# Altium PCB 6_layers_Testboard.PcbDoc (part 2 of 3) (continued)
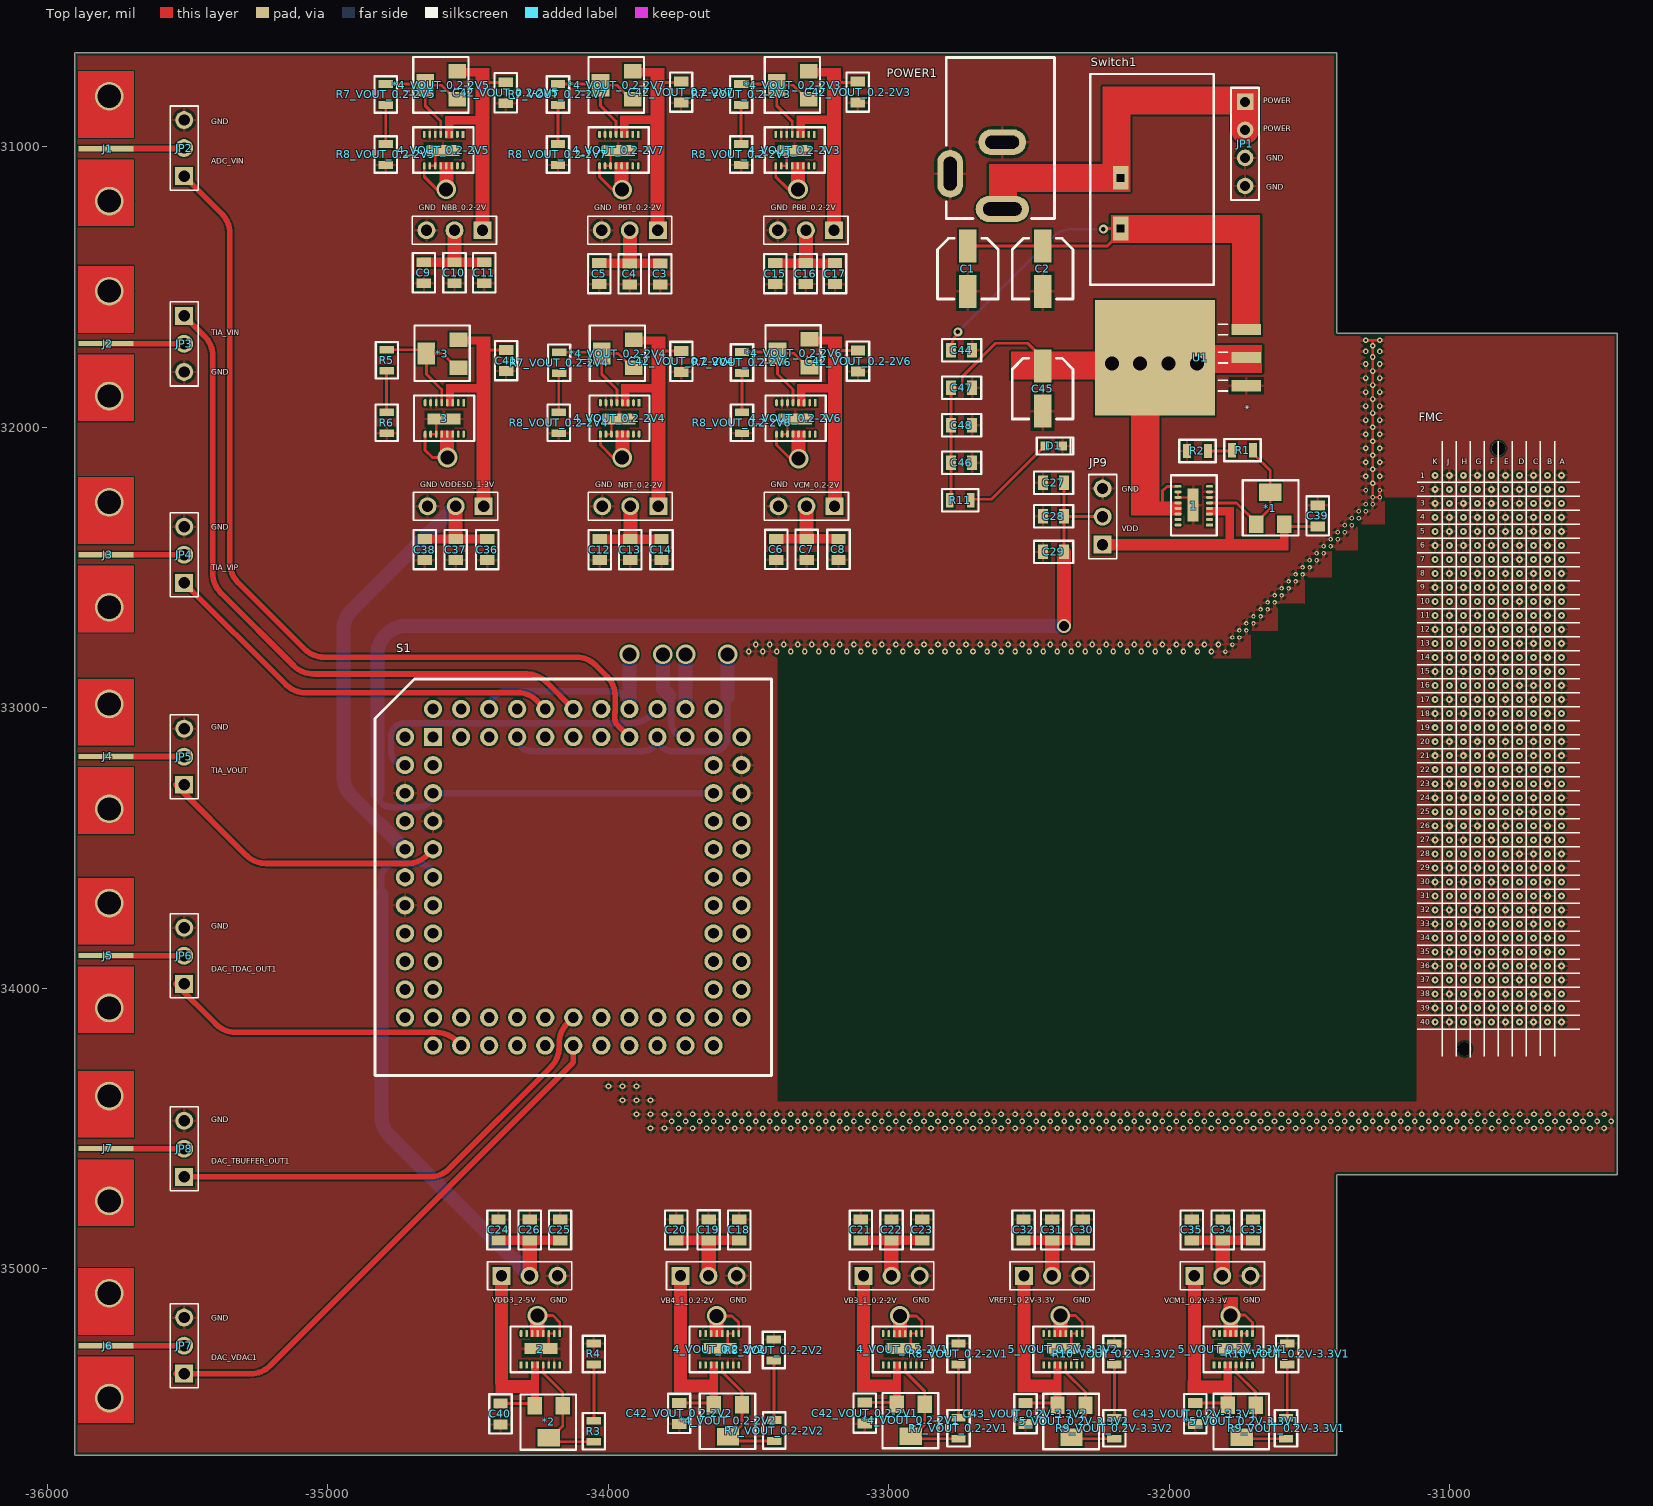
[diagram p0: Top layer view]
## Nets (pads, with @x,y where several pads share a name; then routed paths per layer and width w, separated by ;. In a path a pad name is that pad's centre, name@x,y a point inside that pad or via, vN(x,y) a via of type N, cw(c..) or ccw(c..) an arc to the next point about the centre after c; other vN are vias at no path point) (continued)
DAC_TBUFFER_IN1: 3.H38 S1.79 | length 6655.8
  Inner Layer 1 w7: S1.79@-34425.44,-34205 -34390.73,-34239.71 ccw(c-34320.02,-34169) -34320.02,-34269 -32906,-34269 -32885.5,-34269 cw(c-32885.5,-34277.5) -32877,-34277.5 -32877,-34371.83 ccw(c-32868.5,-34371.83) -32860,-34371.83 -32860,-34272.36 cw(c-32851.5,-34272.36) -32843,-34272.36 -32843,-34371.83 ccw(c-32834.5,-34371.83) -32826,-34371.83 -32826,-34272.45 cw(c-32817.5,-34272.45) -32809,-34272.45 -32809,-34371.83 ccw(c-32800.5,-34371.83) -32792,-34371.83 -32792,-34272.54 cw(c-32783.5,-34272.54) -32775,-34272.54 -32775,-34371.83 ccw(c-32766.5,-34371.83) -32758,-34371.83 -32758,-34272.63 cw(c-32749.5,-34272.63) -32741,-34272.63 -32741,-34371.83 ccw(c-32732.5,-34371.83) -32724,-34371.83 -32724,-34272.72 cw(c-32715.5,-34272.72) -32707,-34272.72 -32707,-34371.83 ccw(c-32698.5,-34371.83) -32690,-34371.83 -32690,-34272.81 cw(c-32681.5,-34272.81) -32673,-34272.81 -32673,-34371.83 ccw(c-32664.5,-34371.83) -32656,-34371.83 -32656,-34272.9 cw(c-32647.5,-34272.9) -32639,-34272.9 -32639,-34371.83 ccw(c-32630.5,-34371.83) -32622,-34371.83 -32622,-34272.98 cw(c-32613.5,-34272.98) -32605,-34272.98 -32605,-34371.83 ccw(c-32596.5,-34371.83) -32588,-34371.83 -32588,-34273.07 cw(c-32579.5,-34273.07) -32571,-34273.07 -32571,-34371.83 ccw(c-32562.5,-34371.83) -32554,-34371.83 -32554,-34273.16 cw(c-32545.5,-34273.16) -32537,-34273.16 -32537,-34371.83 ccw(c-32528.5,-34371.83) -32520,-34371.83 -32520,-34273.25 cw(c-32511.5,-34273.25) -32503,-34273.25 -32503,-34371.83 ccw(c-32494.5,-34371.83) -32486,-34371.83 -32486,-34273.34 cw(c-32477.5,-34273.34) -32469,-34273.34 -32469,-34371.83 ccw(c-32460.5,-34371.83) -32452,-34371.83 -32452,-34273.43 cw(c-32443.5,-34273.43) -32435,-34273.43 -32435,-34356.41 ccw(c-32426.5,-34356.41) -32418,-34356.41 -32418,-34277.5 cw(c-32409.5,-34277.5) -32409.5,-34269 -32018.42,-34269 -32007.5,-34268.4 ccw(c-32018.42,-34169) -32004,-34267.95 ccw(c-32018.42,-34169) -31947.71,-34239.71 -31785.29,-34077.29 cw(c-31714.58,-34148) -31714.58,-34048 -31015.95,-34048 ccw(c-31015.95,-33957.56) v1(-30952,-34021.51) cw(c-31013.53,-33959.98) -31013.53,-34047
DAC_TBUFFER_OUT1: JP8.1 S1.2 | length 1686.4
  Top layer w20: JP8.1@-35533,-34673 JP8.1@-35513,-34673 -34638.42,-34673 ccw(c-34638.42,-34573) -34567.71,-34643.71 -34205.29,-34281.29 ccw(c-34276,-34210.58) -34176,-34210.58 -34176,-34196.98 cw(c-34076,-34196.98) -34146.71,-34126.27 S1.2@-34125.44,-34105
DAC_TDAC_IN1: 3.H35 S1.78 | length 6587.4
  Inner Layer 1 w7: S1.78@-34525.44,-34105 -34509.73,-34089.29 cw(c-34439.02,-34160) -34439.02,-34060 -33385,-34060 -33381.5,-34060 ccw(c-33381.5,-34051.5) -33373,-34051.5 -33373,-34001.54 cw(c-33364.5,-34001.54) -33356,-34001.54 -33356,-34114.73 ccw(c-33347.5,-34114.73) -33339,-34114.73 -33339,-34001.54 cw(c-33330.5,-34001.54) -33322,-34001.54 -33322,-34114.73 ccw(c-33313.5,-34114.73) -33305,-34114.73 -33305,-34001.54 cw(c-33296.5,-34001.54) -33288,-34001.54 -33288,-34114.73 ccw(c-33279.5,-34114.73) -33271,-34114.73 -33271,-34001.54 cw(c-33262.5,-34001.54) -33254,-34001.54 -33254,-34114.73 ccw(c-33245.5,-34114.73) -33237,-34114.73 -33237,-34001.54 cw(c-33228.5,-34001.54) -33220,-34001.54 -33220,-34114.73 ccw(c-33211.5,-34114.73) -33203,-34114.73 -33203,-34001.54 cw(c-33194.5,-34001.54) -33186,-34001.54 -33186,-34114.73 ccw(c-33177.5,-34114.73) -33169,-34114.73 -33169,-34001.54 cw(c-33160.5,-34001.54) -33152,-34001.54 -33152,-34114.73 ccw(c-33143.5,-34114.73) -33135,-34114.73 -33135,-34001.54 cw(c-33126.5,-34001.54) -33118,-34001.54 -33118,-34114.73 ccw(c-33109.5,-34114.73) -33101,-34114.73 -33101,-34001.54 cw(c-33092.5,-34001.54) -33084,-34001.54 -33084,-34114.73 ccw(c-33075.5,-34114.73) -33067,-34114.73 -33067,-34001.54 cw(c-33058.5,-34001.54) -33050,-34001.54 -33050,-34114.73 ccw(c-33041.5,-34114.73) -33033,-34114.73 -33033,-34001.54 cw(c-33024.5,-34001.54) -33016,-34001.54 -33016,-34114.73 ccw(c-33007.5,-34114.73) -32999,-34114.73 -32999,-34001.54 cw(c-32990.5,-34001.54) -32982,-34001.54 -32982,-34109.99 ccw(c-32973.5,-34109.99) -32965,-34109.99 -32965,-34068.5 cw(c-32956.5,-34068.5) -32956.5,-34060 -32921.41,-34060 -31871.42,-34060 ccw(c-31871.42,-33960) -31800.71,-34030.71 -31695.29,-33925.29 cw(c-31624.58,-33996) -31624.58,-33896 -31001,-33896 ccw(c-31001,-33836.82) -30981.8,-33892.8 ccw(c-31001,-33836.82) -30959.16,-33878.67 v1(-30952,-33871.51)
DAC_TDAC_OUT1: JP6.1 S1.77 | length 1150.4
  Top layer w20: JP6.1@-35543,-33985 -35399.29,-34128.71 ccw(c-35328.58,-34058) -35328.58,-34158 -34639.63,-34158 ccw(c-34639.69,-34138) -34635.58,-34157.57 cw(c-34625.44,-34205) -34615.18,-34157.6 ccw(c-34611.02,-34138.03) -34611.56,-34158.03 cw(c-34613.86,-34258) S1.77@-34543.15,-34187.29 ; S1.77@-34543.14,-34187.3 S1.77@-34525.44,-34205 ; S1.77@-34543.15,-34187.29 S1.77@-34525.44,-34205 ; S1.77@-34543.15,-34187.29 S1.77@-34525.44,-34205
DAC_VDAC1: JP7.1 S1.1 | length 1932.6
  Top layer w20: JP7.1@-35543,-35375 JP7.1@-35513,-35375 -35276.42,-35375 ccw(c-35276.42,-35275) -35205.71,-35345.71 -34130,-34270 ccw(c-34141.01,-34258.99) -34125.44,-34258.99 S1.1@-34125.44,-34205
GND: 1.6 1.7 1.10 1.11 2.6 2.7 2.10 2.11 3.6 3.7 3.10 3.11 3.A1 3.A4 3.A5 3.A8 3.A9 3.A12 3.A13 3.A16 3.A17 3.A20 3.A21 3.A24 3.A25 3.A28 3.A29 3.A32 3.A33 3.A36 3.A37 3.A40 3.B2 3.B3 3.B6 3.B7 3.B10 3.B11 3.B14 3.B15 3.B18 3.B19 3.B22 3.B23 3.B26 3.B27 3.B30 3.B31 3.B34 3.B35 3.B38 3.B39 3.C1 3.C4 3.C5 3.C8 3.C9 3.C12 3.C13 3.C16 3.C17 3.C20 3.C21 3.C24 3.C25 3.C28 3.C29 3.C32 3.C33 3.C36 3.C38 3.C40 3.D2 3.D3 3.D6 3.D7 3.D10 3.D13 3.D16 3.D19 3.D22 3.D25 3.D28 3.D37 3.D39 3.E1 3.E4 3.E5 3.E8 3.E11 3.E14 3.E17 3.E20 3.E23 3.E26 3.E29 3.E32 3.E35 3.E38 3.E40 3.F2 3.F3 3.F6 3.F9 3.F12 3.F15 3.F18 3.F21 3.F24 3.F27 3.F30 3.F33 3.F36 3.F39 3.G1 3.G4 3.G5 3.G8 3.G11 3.G14 3.G17 3.G20 3.G23 3.G26 3.G29 3.G32 3.G35 3.G38 3.G40 3.H3 3.H6 3.H9 3.H12 3.H15 3.H18 3.H21 3.H24 3.H27 3.H30 3.H33 3.H36 3.H39 3.J1 3.J4 3.J5 3.J8 3.J11 3.J14 3.J17 3.J20 3.J23 3.J26 3.J29 3.J32 3.J35 3.J38 3.J40 3.K2 3.K3 3.K6 3.K9 3.K12 3.K15 3.K18 3.K21 3.K24 3.K27 3.K30 3.K33 3.K36 3.K39 4_VOUT_0.2-2V1.6 4_VOUT_0.2-2V1.7 4_VOUT_0.2-2V1.10 4_VOUT_0.2-2V1.11 4_VOUT_0.2-2V2.6 4_VOUT_0.2-2V2.7 4_VOUT_0.2-2V2.10 4_VOUT_0.2-2V2.11 4_VOUT_0.2-2V3.6 4_VOUT_0.2-2V3.7 4_VOUT_0.2-2V3.10 4_VOUT_0.2-2V3.11 4_VOUT_0.2-2V4.6 4_VOUT_0.2-2V4.7 4_VOUT_0.2-2V4.10 4_VOUT_0.2-2V4.11 4_VOUT_0.2-2V5.6 4_VOUT_0.2-2V5.7 4_VOUT_0.2-2V5.10 4_VOUT_0.2-2V5.11 4_VOUT_0.2-2V6.6 4_VOUT_0.2-2V6.7 4_VOUT_0.2-2V6.10 4_VOUT_0.2-2V6.11 4_VOUT_0.2-2V7.6 4_VOUT_0.2-2V7.7 4_VOUT_0.2-2V7.10 4_VOUT_0.2-2V7.11 5_VOUT_0.2V-3.3V1.6 5_VOUT_0.2V-3.3V1.7 5_VOUT_0.2V-3.3V1.10 5_VOUT_0.2V-3.3V1.11 5_VOUT_0.2V-3.3V2.6 5_VOUT_0.2V-3.3V2.7 5_VOUT_0.2V-3.3V2.10 5_VOUT_0.2V-3.3V2.11 C1.2 C2.2 C3.1 C4.2 C5.1 C6.1 C7.1 C8.1 C9.1 C10.2 C11.1 C12.1 C13.2 C14.1 C15.1 C16.2 C17.1 C18.1 C19.2 C20.1 C21.1 C22.2 C23.1 C24.1 C25.2 C26.1 C27.1 C28.2 C29.1 C30.1 C31.2 C32.1 C33.1 C34.2 C35.1 C36.1 C37.2 C38.1 C39.1 C40.1 C41.1 C42_VOUT_0.2-2V1.1 C42_VOUT_0.2-2V2.1 C42_VOUT_0.2-2V3.1 C42_VOUT_0.2-2V4.1 C42_VOUT_0.2-2V5.1 C42_VOUT_0.2-2V6.1 C42_VOUT_0.2-2V7.1 C43_VOUT_0.2V-3.3V1.1 C43_VOUT_0.2V-3.3V2.1 C44.2 C45.2 C46.2 C47.2 C48.2 D1.1 J1.MH J2.MH J3.MH J4.MH J5.MH J6.MH J7.MH JP1.3 JP1.4 JP2.3 JP3.3 JP4.3 JP5.3 JP6.3 JP7.3 JP8.3 JP9.3 NBB_0.2-2V.3 NBT_0.2-2V.3 PBB_0.2-2V.3 PBT_0.2-2V.3 POWER1.2 POWER1.3 R2.1 R4.1 R6.1 R8_VOUT_0.2-2V1.1 R8_VOUT_0.2-2V2.1 R8_VOUT_0.2-2V3.1 R8_VOUT_0.2-2V4.1 R8_VOUT_0.2-2V5.1 R8_VOUT_0.2-2V6.1 R8_VOUT_0.2-2V7.1 R10_VOUT_0.2V-3.3V1.1 R10_VOUT_0.2V-3.3V2.1 S1.28 S1.30 S1.58 S1.61 S1.66 U1.1 VB3_1_0.2-2V.3 VB4_1_0.2-2V.3 VCM1_0.2V-3.3V.3 VCM_0.2-2V.3 VDD3_2-5V.3 VDDESD_1-3V.3 VREF1_0.2V-3.3V.3 | length 1811.3
  Top layer w8: -35716.38,-31195 -35696.38,-31195 ; 4_VOUT_0.2-2V5.10@-34637.06,-31068.13 4_VOUT_0.2-2V5.11@-34617.38,-31068.13 -34617.38,-31029.69 -34601.69,-31014 4_VOUT_0.2-2V5.7@-34589.82,-31014 ; 3.10@-34634.06,-32025 3.11@-34614.38,-32025 -34614.38,-31986.55 -34598.69,-31970.87 3.7@-34586.82,-31970.87 ; 2.7@-34240.54,-35285.98 -34228.67,-35285.98 -34212.99,-35270.29 2.11@-34212.99,-35231.84 2.10@-34193.3,-35231.84 ; 4_VOUT_0.2-2V7.10@-34012.08,-31068.13 4_VOUT_0.2-2V7.11@-33992.39,-31068.13 -33992.39,-31029.68 -33976.71,-31014 4_VOUT_0.2-2V7.7@-33964.83,-31014 ; 4_VOUT_0.2-2V4.10@-34009.08,-32025 4_VOUT_0.2-2V4.11@-33989.39,-32025 -33989.39,-31986.55 -33973.71,-31970.87 4_VOUT_0.2-2V4.7@-33961.83,-31970.87 ; 4_VOUT_0.2-2V2.7@-33602.17,-35285.98 -33590.29,-35285.98 -33574.61,-35270.29 4_VOUT_0.2-2V2.11@-33574.61,-35231.84 4_VOUT_0.2-2V2.10@-33554.92,-35231.84 ; 4_VOUT_0.2-2V3.10@-33384.08,-31068.13 4_VOUT_0.2-2V3.11@-33364.39,-31068.13 -33364.39,-31029.69 -33348.71,-31014 4_VOUT_0.2-2V3.7@-33336.83,-31014 ; 4_VOUT_0.2-2V6.10@-33381.08,-32025 4_VOUT_0.2-2V6.11@-33361.39,-32025 -33361.39,-31986.55 -33345.71,-31970.87 4_VOUT_0.2-2V6.7@-33333.83,-31970.87 ; 4_VOUT_0.2-2V1.7@-32949.56,-35285.98 -32937.69,-35285.98 -32922,-35270.29 4_VOUT_0.2-2V1.11@-32922,-35231.84 4_VOUT_0.2-2V1.10@-32902.32,-35231.84 ; 5_VOUT_0.2V-3.3V2.7@-32377.27,-35285.98 -32365.4,-35285.98 -32349.71,-35270.29 5_VOUT_0.2V-3.3V2.11@-32349.71,-35231.84 5_VOUT_0.2V-3.3V2.10@-32330.02,-35231.84 ; 1.10@-31969.13,-32230.76 1.11@-31969.13,-32250.44 -31930.69,-32250.44 -31915,-32266.13 1.7@-31915,-32278 ; 5_VOUT_0.2V-3.3V1.7@-31770.18,-35285.98 -31758.31,-35285.98 -31742.62,-35270.29 5_VOUT_0.2V-3.3V1.11@-31742.62,-35231.84 5_VOUT_0.2V-3.3V1.10@-31722.94,-35231.84 ; v2(-31300,-31690) -31275,-31690 ; v3(-31275,-32275) v3(-31275,-32250) ; v3(-31250,-32225) v3(-31250,-32250) v3(-31275,-32250) ; v2(-31250,-31690) -31275,-31690 ; v3(-31275,-32250) v2(-31275,-32200) v2(-31275,-32150) v2(-31275,-32100) v2(-31275,-32050) v2(-31275,-32000) v2(-31275,-31950) v2(-31275,-31900) v2(-31275,-31850) v2(-31275,-31800) v2(-31275,-31750) v2(-31275,-31710) -31275,-31690
  other v1: -31002,-34121.51 -30902,-34121.51 -30802,-34121.51 -30702,-34121.51 -30602,-34121.51 -31052,-34071.51 -30952,-34071.51 -30852,-34071.51 -30752,-34071.51 -30652,-34071.51 -31002,-34021.51 -30902,-34021.51 -30802,-34021.51 -30702,-34021.51 -30652,-34021.51 -30752,-33971.51 -30602,-33971.51 -31052,-33921.51 -30952,-33921.51 -30852,-33921.51 -30702,-33921.51 -30602,-33921.51 -31002,-33871.51 -30902,-33871.51 -30802,-33871.51 -30652,-33871.51 -30652,-33821.51 -31052,-33771.51 -30952,-33771.51 -30852,-33771.51 -30702,-33771.51 -30602,-33771.51 -31002,-33721.51 -30902,-33721.51 -30802,-33721.51 -30702,-33721.51 -30602,-33721.51 -30652,-33671.51 -31052,-33621.51 -30952,-33621.51 -30852,-33621.51 -30652,-33621.51 -31002,-33571.51 -30902,-33571.51 -30802,-33571.51 -30702,-33571.51 -30602,-33571.51 -30752,-33521.51 -30702,-33521.51 -30602,-33521.51 -31052,-33471.51 -30952,-33471.51 -30852,-33471.51 -30652,-33471.51 -31002,-33421.51 -30902,-33421.51 -30802,-33421.51 -30652,-33421.51 -30752,-33371.51 -30702,-33371.51 -30602,-33371.51 -31052,-33321.51 -30952,-33321.51 -30852,-33321.51 -30702,-33321.51 -30602,-33321.51 -31002,-33271.51 -30902,-33271.51 -30802,-33271.51 -30652,-33271.51 -30752,-33221.51 -30652,-33221.51 -31052,-33171.51 -30952,-33171.51 -30852,-33171.51 -30702,-33171.51 -30602,-33171.51 -31002,-33121.51 -30902,-33121.51 -30802,-33121.51 -30702,-33121.51 -30602,-33121.51 -30752,-33071.51 -30652,-33071.51 -31052,-33021.51 -30952,-33021.51 -30852,-33021.51 -30652,-33021.51 -31002,-32971.51 -30902,-32971.51 -30802,-32971.51 -30702,-32971.51 -30602,-32971.51 -30752,-32921.51 -30702,-32921.51 -30602,-32921.51 -31052,-32871.51 -30952,-32871.51 -30852,-32871.51 -30652,-32871.51 -31002,-32821.51 -30902,-32821.51 -30802,-32821.51 -30652,-32821.51 -30752,-32771.51 -30702,-32771.51 -30602,-32771.51 -31052,-32721.51 -30952,-32721.51 -30852,-32721.51 -30702,-32721.51 -30602,-32721.51 -31002,-32671.51 -30902,-32671.51 -30802,-32671.51 -30652,-32671.51 -30752,-32621.51 -30652,-32621.51 -31052,-32571.51 -30952,-32571.51 -30852,-32571.51 -30702,-32571.51 -30602,-32571.51 -31002,-32521.51 -30902,-32521.51 -30802,-32521.51 -30702,-32521.51 -30602,-32521.51 -30752,-32471.51 -30652,-32471.51 -31052,-32421.51 -30952,-32421.51 -30852,-32421.51 -30752,-32421.51 -30652,-32421.51 -31002,-32371.51 -30902,-32371.51 -30802,-32371.51 -30702,-32371.51 -30602,-32371.51 -31002,-32321.51 -30902,-32321.51 -30802,-32321.51 -30702,-32321.51 -30602,-32321.51 -31052,-32271.51 -30952,-32271.51 -30852,-32271.51 -30752,-32271.51 -30652,-32271.51 -31052,-32221.51 -30852,-32221.51 -30752,-32221.51 -30652,-32221.51 -31002,-32171.51 -30902,-32171.51 -30802,-32171.51 -30702,-32171.51 -30602,-32171.51
  other v2: -33850,-34500 -33800,-34500 -33750,-34500 -33700,-34500 -33650,-34500 -33600,-34500 -33550,-34500 -33500,-34500 -33450,-34500 -33400,-34500 -33350,-34500 -33300,-34500 -33250,-34500 -33200,-34500 -33150,-34500 -33100,-34500 -33050,-34500 -33000,-34500 -32950,-34500 -32900,-34500 -32850,-34500 -32800,-34500 -32750,-34500 -32700,-34500 -32650,-34500 -32600,-34500 -32550,-34500 -32500,-34500 -32450,-34500 -32400,-34500 -32350,-34500 -32300,-34500 -32250,-34500 -32200,-34500 -32150,-34500 -32100,-34500 -32050,-34500 -32000,-34500 -31950,-34500 -31900,-34500 -31850,-34500 -31800,-34500 -31750,-34500 -31700,-34500 -31650,-34500 -31600,-34500 -31550,-34500 -31500,-34500 -31450,-34500 -31400,-34500 -31350,-34500 -31300,-34500 -31250,-34500 -31200,-34500 -31150,-34500 -31100,-34500 -31050,-34500 -31000,-34500 -30950,-34500 -30900,-34500 -30850,-34500 -30800,-34500 -30750,-34500 -30700,-34500 -30650,-34500 -30600,-34500 -30550,-34500 -30500,-34500 -30450,-34500 -33775,-34475 -33725,-34475 -33675,-34475 -33625,-34475 -33575,-34475 -33525,-34475 -33475,-34475 -33425,-34475 -33375,-34475 -33325,-34475 -33275,-34475 -33225,-34475 -33175,-34475 -33125,-34475 -33075,-34475 -33025,-34475 -32975,-34475 -32925,-34475 -32875,-34475 -32825,-34475 -32775,-34475 -32725,-34475 -32675,-34475 -32625,-34475 -32575,-34475 -32525,-34475 -32475,-34475 -32425,-34475 -32375,-34475 -32325,-34475 -32275,-34475 -32225,-34475 -32175,-34475 -32125,-34475 -32075,-34475 -32025,-34475 -31975,-34475 -31925,-34475 -31875,-34475 -31825,-34475 -31775,-34475 -31725,-34475 -31675,-34475 -31625,-34475 -31575,-34475 -31525,-34475 -31475,-34475 -31425,-34475 -31375,-34475 -31325,-34475 -31275,-34475 -31225,-34475 -31175,-34475 -31125,-34475 -31075,-34475 -31025,-34475 -30975,-34475 -30925,-34475 -30875,-34475 -30825,-34475 -30775,-34475 -30725,-34475 -30675,-34475 -30625,-34475 -30575,-34475 -30525,-34475 -30475,-34475 -30425,-34475 -33900,-34450 -33850,-34450 -33800,-34450 -33750,-34450 -33700,-34450 -33650,-34450 -33600,-34450 -33550,-34450 -33500,-34450 -33450,-34450 -33400,-34450 -33350,-34450 -33300,-34450 -33250,-34450 -33200,-34450 -33150,-34450 -33100,-34450 -33050,-34450 -33000,-34450 -32950,-34450 -32900,-34450 -32850,-34450 -32800,-34450 -32750,-34450 -32700,-34450 -32650,-34450 -32600,-34450 -32550,-34450 -32500,-34450 -32450,-34450 -32400,-34450 -32350,-34450 -32300,-34450 -32250,-34450 -32200,-34450 -32150,-34450 -32100,-34450 -32050,-34450 -32000,-34450 -31950,-34450 -31900,-34450 -31850,-34450 -31800,-34450 -31750,-34450 -31700,-34450 -31650,-34450 -31600,-34450 -31550,-34450 -31500,-34450 -31450,-34450 -31400,-34450 -31350,-34450 -31300,-34450 -31250,-34450 -31200,-34450 -31150,-34450 -31100,-34450 -31050,-34450 -31000,-34450 -30950,-34450 -30900,-34450 -30850,-34450 -30800,-34450 -30750,-34450 -30700,-34450 -30650,-34450 -30600,-34450 -30550,-34450 -30500,-34450 -30450,-34450 -33950,-34400 -33900,-34400 -33850,-34400 -34000,-34350 -33950,-34350 -33900,-34350 -33500,-32800 -33450,-32800 -33400,-32800 -33350,-32800 -33300,-32800 -33250,-32800 -33200,-32800 -33150,-32800 -33100,-32800 -33050,-32800 -33000,-32800 -32950,-32800 -32900,-32800 -32850,-32800 -32800,-32800 -32750,-32800 -32700,-32800 -32650,-32800 -32600,-32800 -32550,-32800 -32500,-32800 -32450,-32800 -32400,-32800 -32350,-32800 -32300,-32800 -32250,-32800 -32200,-32800 -32150,-32800 -32100,-32800 -32050,-32800 -32000,-32800 -31950,-32800 -31900,-32800 -31850,-32800 -33475,-32775 -33425,-32775 -33375,-32775 -33325,-32775 -33275,-32775 -33225,-32775 -33175,-32775 -33125,-32775 -33075,-32775 -33025,-32775 -32975,-32775 -32925,-32775 -32875,-32775 -32825,-32775 -32775,-32775 -32725,-32775 -32675,-32775 -32625,-32775 -32575,-32775 -32525,-32775 -32475,-32775 -32425,-32775 -32375,-32775 -32325,-32775 -32275,-32775 -32225,-32775 -32175,-32775 -32125,-32775 -32075,-32775 -32025,-32775 -31975,-32775 -31925,-32775 -31875,-32775 -31825,-32775 -31300,-32175 -31250,-32175 -31300,-32125 -31250,-32125 -31300,-32075 -31250,-32075 -31300,-32025 -31250,-32025 -31300,-31975 -31250,-31975 -31300,-31925 -31250,-31925 -31300,-31875 -31250,-31875 -31300,-31825 -31250,-31825 -31300,-31775 -31250,-31775 -31300,-31730 -31250,-31730
  other v3: -31800,-32800 -31775,-32775 -31775,-32750 -31750,-32750 -31750,-32725 -31725,-32725 -31725,-32700 -31700,-32700 -31700,-32675 -31675,-32675 -31675,-32650 -31650,-32650 -31650,-32625 -31625,-32625 -31625,-32600 -31600,-32600 -31600,-32575 -31575,-32575 -31575,-32550 -31550,-32550 -31550,-32525 -31525,-32525 -31525,-32500 -31500,-32500 -31500,-32475 -31475,-32475 -31475,-32450 -31450,-32450 -31450,-32425 -31425,-32425 -31425,-32400 -31400,-32400 -31400,-32375 -31375,-32375 -31375,-32350 -31350,-32350 -31350,-32325 -31325,-32325 -31325,-32300 -31300,-32300 -31300,-32275 -31300,-32225
NBB0.2-2V: C9.2 C10.1 C11.2 NBB_0.2-2V.2 S1.37 S1.56 | length 3156.2
  Top layer w10: C11.2@-34449.22,-31415.2 ccw(c-34449.22,-31404.28) C11.2@-34441.5,-31412
  Inner Layer 2 w50: S1.56@-34725.44,-33205 -34759.65,-33170.79 cw(c-34688.94,-33100.08) -34774.44,-33151.94 cw(c-34688.94,-33100.08) -34785.82,-33124.85 ccw(c-34834.26,-33137.26) -34786.31,-33123.06 cw(c-34725.44,-33105) -34788.94,-33105 cw(c-34725.44,-33105) -34788.92,-33103.7 ccw(c-34838.91,-33102.71) -34788.92,-33101.85 cw(c-34688.94,-33100.08) -34788.94,-33100.08 -34788.94,-31579.38 cw(c-34688.94,-31579.38) -34759.65,-31508.66 NBB_0.2-2V.2@-34548.98,-31298
  Bottom Layer w23: S1.56@-34725.44,-33205 cw(c-34725.44,-33155) -34775.44,-33155 -34775.44,-33114.44 cw(c-34716,-33114.44) -34775.33,-33110.88 ccw(c-34798.29,-33109.58) -34775.34,-33108.19 cw(c-34725.44,-33105) -34722.35,-33055.1 cw(c-34725.44,-33105) -34722.23,-33055.1 ccw(c-34720.86,-33032.14) -34719.58,-33055.11 cw(c-34716,-33114.44) -34716,-33055 -34624.64,-33055 ccw(c-34624.64,-33032) -34624.58,-33055 -34622.57,-33054.99 cw(c-34622.51,-33077.99) -34622.46,-33054.99 -34619.92,-33055 -34592.87,-33055 -34525.54,-33055 -34525.44,-33055 -33916.86,-33055 ccw(c-33916.86,-32955) -33908.26,-33054.63 ccw(c-33916.86,-32955) -33846.15,-33025.71 S1.37@-33825.44,-33005
NBT0.2-2V: C12.2 C13.1 C14.2 NBT_0.2-2V.2 S1.36 S1.57 | length 1902.8
  Inner Layer 2 w23: S1.57@-34625.44,-33205 -33866.86,-33205 ccw(c-33866.86,-33105) -33796.15,-33175.71 S1.36@-33725.44,-33105
  Inner Layer 2 w50: -33922,-32545 ccw(c-33844.75,-32545) -33899.37,-32599.63 -33892.71,-32606.29 ; NBT_0.2-2V.2@-33922,-32282 -33922,-32535.58 ccw(c-33822,-32535.58) -33892.71,-32606.29 ; v4(-33806,-32810) -33806,-32734.42 ccw(c-33906,-32734.42) -33835.29,-32663.71 -33892.71,-32606.29
  Bottom Layer w23: -33775.44,-32960.88 -33775.44,-33055 ccw(c-33725.44,-33055) S1.36@-33725.44,-33105
  Bottom Layer w50: v4(-33806,-32810) -33806,-32933 -33783,-32956
Net1_3: 1.3 1.4 *1.3 C39.2 JP9.1 | length 122.6
  Top layer w10: *1.3@-31590.42,-32346.23 -31582.87,-32353.79 C39.2@-31471,-32353.79
Net1_5: 1.5 *1.1 *1.2 R1.2 | length 506
  Top layer w10: 1.5@-31856.93,-32270.13 -31760.62,-32270.13 *1.1@-31690.42,-32340.32 ; R1.2@-31701.66,-32081.87 -31701.66,-32093.68 -31640.42,-32154.92 *1.2@-31640.42,-32232.06 -31640.42,-32290.32 *1.1@-31690.42,-32340.32 ; *1.1@-31690.42,-32346.23 *1.1@-31690.42,-32340.32
Net2_3: 2.3 2.4 *2.3 C40.2 VDD3_2-5V.1 | length 125.2
  Top layer w10: C40.2@-34385,-35481.2 -34270.8,-35481.2 *2.3@-34263,-35489
Net2_5: 2.5 *2.1 *2.2 R3.2 | length 480.4
  Top layer w10: 2.5@-34232.67,-35344.05 -34232.67,-35372.3 -34163,-35441.97 *2.1@-34163,-35489 -34163,-35561.05 -34205.12,-35603.17 *2.2@-34213,-35603.17 -34198.37,-35617.8 R3.2@-34052,-35617.8
Net3_3: 3.3 3.4 *3.3 C41.2 VDDESD_1-3V.1 | length 79.2
  Top layer w10: -34452.2,-31725.2 C41.2@-34373,-31725.2
Net3_5: 3.5 *3.1 *3.2 R5.2 | length 464.2
  Top layer w10: R5.2@-34790,-31724 -34682.56,-31724 cw(c-34682.56,-31771.34) *3.2@-34649.09,-31737.87 ; 3.5@-34594.61,-31912.72 3.5@-34594.69,-31912.8 -34594.69,-31865.86 -34649.09,-31811.46 *3.2@-34649.09,-31737.87 ; *3.1@-34557.66,-31787.87 -34557.66,-31771.02 -34590.82,-31737.87 *3.2@-34649.09,-31737.87
Net4_VOUT_0.2-2V1_3: 4_VOUT_0.2-2V1.3 4_VOUT_0.2-2V1.4 *4_VOUT_0.2-2V1.3 C42_VOUT_0.2-2V1.2 VB3_1_0.2-2V.1 | length 116.4
  Top layer w10: C42_VOUT_0.2-2V1.2@-33086,-35478.2 -32977.8,-35478.2 *4_VOUT_0.2-2V1.3@-32972,-35484
Net4_VOUT_0.2-2V1_5: 4_VOUT_0.2-2V1.5 *4_VOUT_0.2-2V1.1 *4_VOUT_0.2-2V1.2 R7_VOUT_0.2-2V1.2 | length 466.1
  Top layer w10: 4_VOUT_0.2-2V1.5@-32941.68,-35344.05 -32941.61,-35344.13 -32941.61,-35367.9 -32872,-35437.5 *4_VOUT_0.2-2V1.1@-32872,-35484 -32872,-35556.05 -32914.12,-35598.17 -32905.46,-35606.83 R7_VOUT_0.2-2V1.2@-32752,-35606.83
Net4_VOUT_0.2-2V2_3: 4_VOUT_0.2-2V2.3 4_VOUT_0.2-2V2.4 *4_VOUT_0.2-2V2.3 C42_VOUT_0.2-2V2.2 VB4_1_0.2-2V.1 | length 126.8
  Top layer w10: C42_VOUT_0.2-2V2.2@-33748,-35479.2 -33630.8,-35479.2 *4_VOUT_0.2-2V2.3@-33624,-35486
Net4_VOUT_0.2-2V2_5: 4_VOUT_0.2-2V2.5 *4_VOUT_0.2-2V2.1 *4_VOUT_0.2-2V2.2 R7_VOUT_0.2-2V2.2 | length 481.7
  Top layer w10: 4_VOUT_0.2-2V2.5@-33594.29,-35344.05 -33594.21,-35344.13 -33594.21,-35369.29 -33524,-35439.5 *4_VOUT_0.2-2V2.1@-33524,-35486 -33524,-35558.05 -33566.12,-35600.17 *4_VOUT_0.2-2V2.2@-33574,-35600.17 -33559.17,-35615 R7_VOUT_0.2-2V2.2@-33409,-35615
Net4_VOUT_0.2-2V3_3: 4_VOUT_0.2-2V3.3 4_VOUT_0.2-2V3.4 *4_VOUT_0.2-2V3.3 C42_VOUT_0.2-2V3.2 PBB_0.2-2V.1 | length 63.8
  Top layer w10: -33197.76,-30771.24 C42_VOUT_0.2-2V3.2@-33134,-30771.24
Net4_VOUT_0.2-2V3_5: 4_VOUT_0.2-2V3.5 *4_VOUT_0.2-2V3.1 *4_VOUT_0.2-2V3.2 R7_VOUT_0.2-2V3.2 | length 449.6
  Top layer w7: *4_VOUT_0.2-2V3.2@-33404.87,-30776.24 cw(c-33404.87,-30781) *4_VOUT_0.2-2V3.2@-33400.1,-30781
  Top layer w10: R7_VOUT_0.2-2V3.2@-33527,-30776.24 *4_VOUT_0.2-2V3.2@-33404.87,-30776.24 ; 4_VOUT_0.2-2V3.5@-33344.63,-30955.85 4_VOUT_0.2-2V3.5@-33344.71,-30955.93 -33344.71,-30909.49 -33400.1,-30854.1 *4_VOUT_0.2-2V3.2@-33400.1,-30781 -33341.83,-30781 -33308.68,-30814.15 *4_VOUT_0.2-2V3.1@-33308.68,-30831
Net4_VOUT_0.2-2V4_3: 4_VOUT_0.2-2V4.3 4_VOUT_0.2-2V4.4 *4_VOUT_0.2-2V4.3 C42_VOUT_0.2-2V4.2 NBT_0.2-2V.1 | length 91
  Top layer w10: -33823,-31728 C42_VOUT_0.2-2V4.2@-33732,-31728
Net4_VOUT_0.2-2V4_5: 4_VOUT_0.2-2V4.5 *4_VOUT_0.2-2V4.1 *4_VOUT_0.2-2V4.2 R7_VOUT_0.2-2V4.2 | length 487.2
  Top layer w10: R7_VOUT_0.2-2V4.2@-34176,-31733 -34028.87,-31733 cw(c-34028.87,-31737.76) *4_VOUT_0.2-2V4.2@-34024.1,-31737.76 ; 4_VOUT_0.2-2V4.5@-33969.63,-31912.72 4_VOUT_0.2-2V4.5@-33969.71,-31912.8 -33969.71,-31865.8 -34024.1,-31811.41 *4_VOUT_0.2-2V4.2@-34024.1,-31737.76 ; *4_VOUT_0.2-2V4.1@-33909.93,-31787.76 -33915.83,-31787.76 -33965.83,-31737.76 *4_VOUT_0.2-2V4.2@-34024.1,-31737.76
Net4_VOUT_0.2-2V5_3: 4_VOUT_0.2-2V5.3 4_VOUT_0.2-2V5.4 *4_VOUT_0.2-2V5.3 C42_VOUT_0.2-2V5.2 NBB_0.2-2V.1 | length 75.2
  Top layer w10: -34457.24,-30771.24 C42_VOUT_0.2-2V5.2@-34382,-30771.24
Net4_VOUT_0.2-2V5_5: 4_VOUT_0.2-2V5.5 *4_VOUT_0.2-2V5.1 *4_VOUT_0.2-2V5.2 R7_VOUT_0.2-2V5.2 | length 473.7
  Top layer w10: R7_VOUT_0.2-2V5.2@-34793.6,-30776.64 -34679.58,-30776.64 *4_VOUT_0.2-2V5.2@-34653.09,-30781 ; 4_VOUT_0.2-2V5.5@-34597.61,-30955.85 4_VOUT_0.2-2V5.5@-34597.69,-30955.93 -34597.69,-30909.49 -34653.09,-30854.1 *4_VOUT_0.2-2V5.2@-34653.09,-30781 ; *4_VOUT_0.2-2V5.1@-34538.91,-30831 -34544.82,-30831 -34594.82,-30781 *4_VOUT_0.2-2V5.2@-34653.09,-30781
Net4_VOUT_0.2-2V6_3: 4_VOUT_0.2-2V6.3 4_VOUT_0.2-2V6.4 *4_VOUT_0.2-2V6.3 C42_VOUT_0.2-2V6.2 VCM_0.2-2V.1 | length 80.4
  Top layer w10: -33203,-31726 -33202,-31727 C42_VOUT_0.2-2V6.2@-33123,-31727
Net4_VOUT_0.2-2V6_5: 4_VOUT_0.2-2V6.5 *4_VOUT_0.2-2V6.1 *4_VOUT_0.2-2V6.2 R7_VOUT_0.2-2V6.2 | length 455.6
  Top layer w10: R7_VOUT_0.2-2V6.2@-33524,-31732 -33401.87,-31732 cw(c-33401.87,-31736.76) *4_VOUT_0.2-2V6.2@-33397.1,-31736.76 -33338.83,-31736.76 -33288.83,-31786.76 *4_VOUT_0.2-2V6.1@-33282.93,-31786.76 ; *4_VOUT_0.2-2V6.2@-33397.1,-31744.64 -33397.1,-31810.41 -33341.71,-31865.8 4_VOUT_0.2-2V6.5@-33341.71,-31912.8
Net4_VOUT_0.2-2V7_3: 4_VOUT_0.2-2V7.3 4_VOUT_0.2-2V7.4 *4_VOUT_0.2-2V7.3 C42_VOUT_0.2-2V7.2 PBT_0.2-2V.1 | length 78.2
  Top layer w10: -33831.24,-30771.24 C42_VOUT_0.2-2V7.2@-33753,-30771.24
Net4_VOUT_0.2-2V7_5: 4_VOUT_0.2-2V7.5 *4_VOUT_0.2-2V7.1 *4_VOUT_0.2-2V7.2 R7_VOUT_0.2-2V7.2 | length 486.6
  Top layer w10: R7_VOUT_0.2-2V7.2@-34180,-30776.24 -34032.87,-30776.24 *4_VOUT_0.2-2V7.2@-34028.1,-30781 ; 4_VOUT_0.2-2V7.5@-33972.71,-30955.93 -33972.71,-30909.49 -34028.1,-30854.09 *4_VOUT_0.2-2V7.2@-34028.1,-30781 ; *4_VOUT_0.2-2V7.1@-33913.93,-30831 -33919.84,-30831 -33969.84,-30781 *4_VOUT_0.2-2V7.2@-34028.1,-30781